# Altium PCB SVPX_FMC_6U_SOM.PcbDoc (part 5 of 9) (continued)
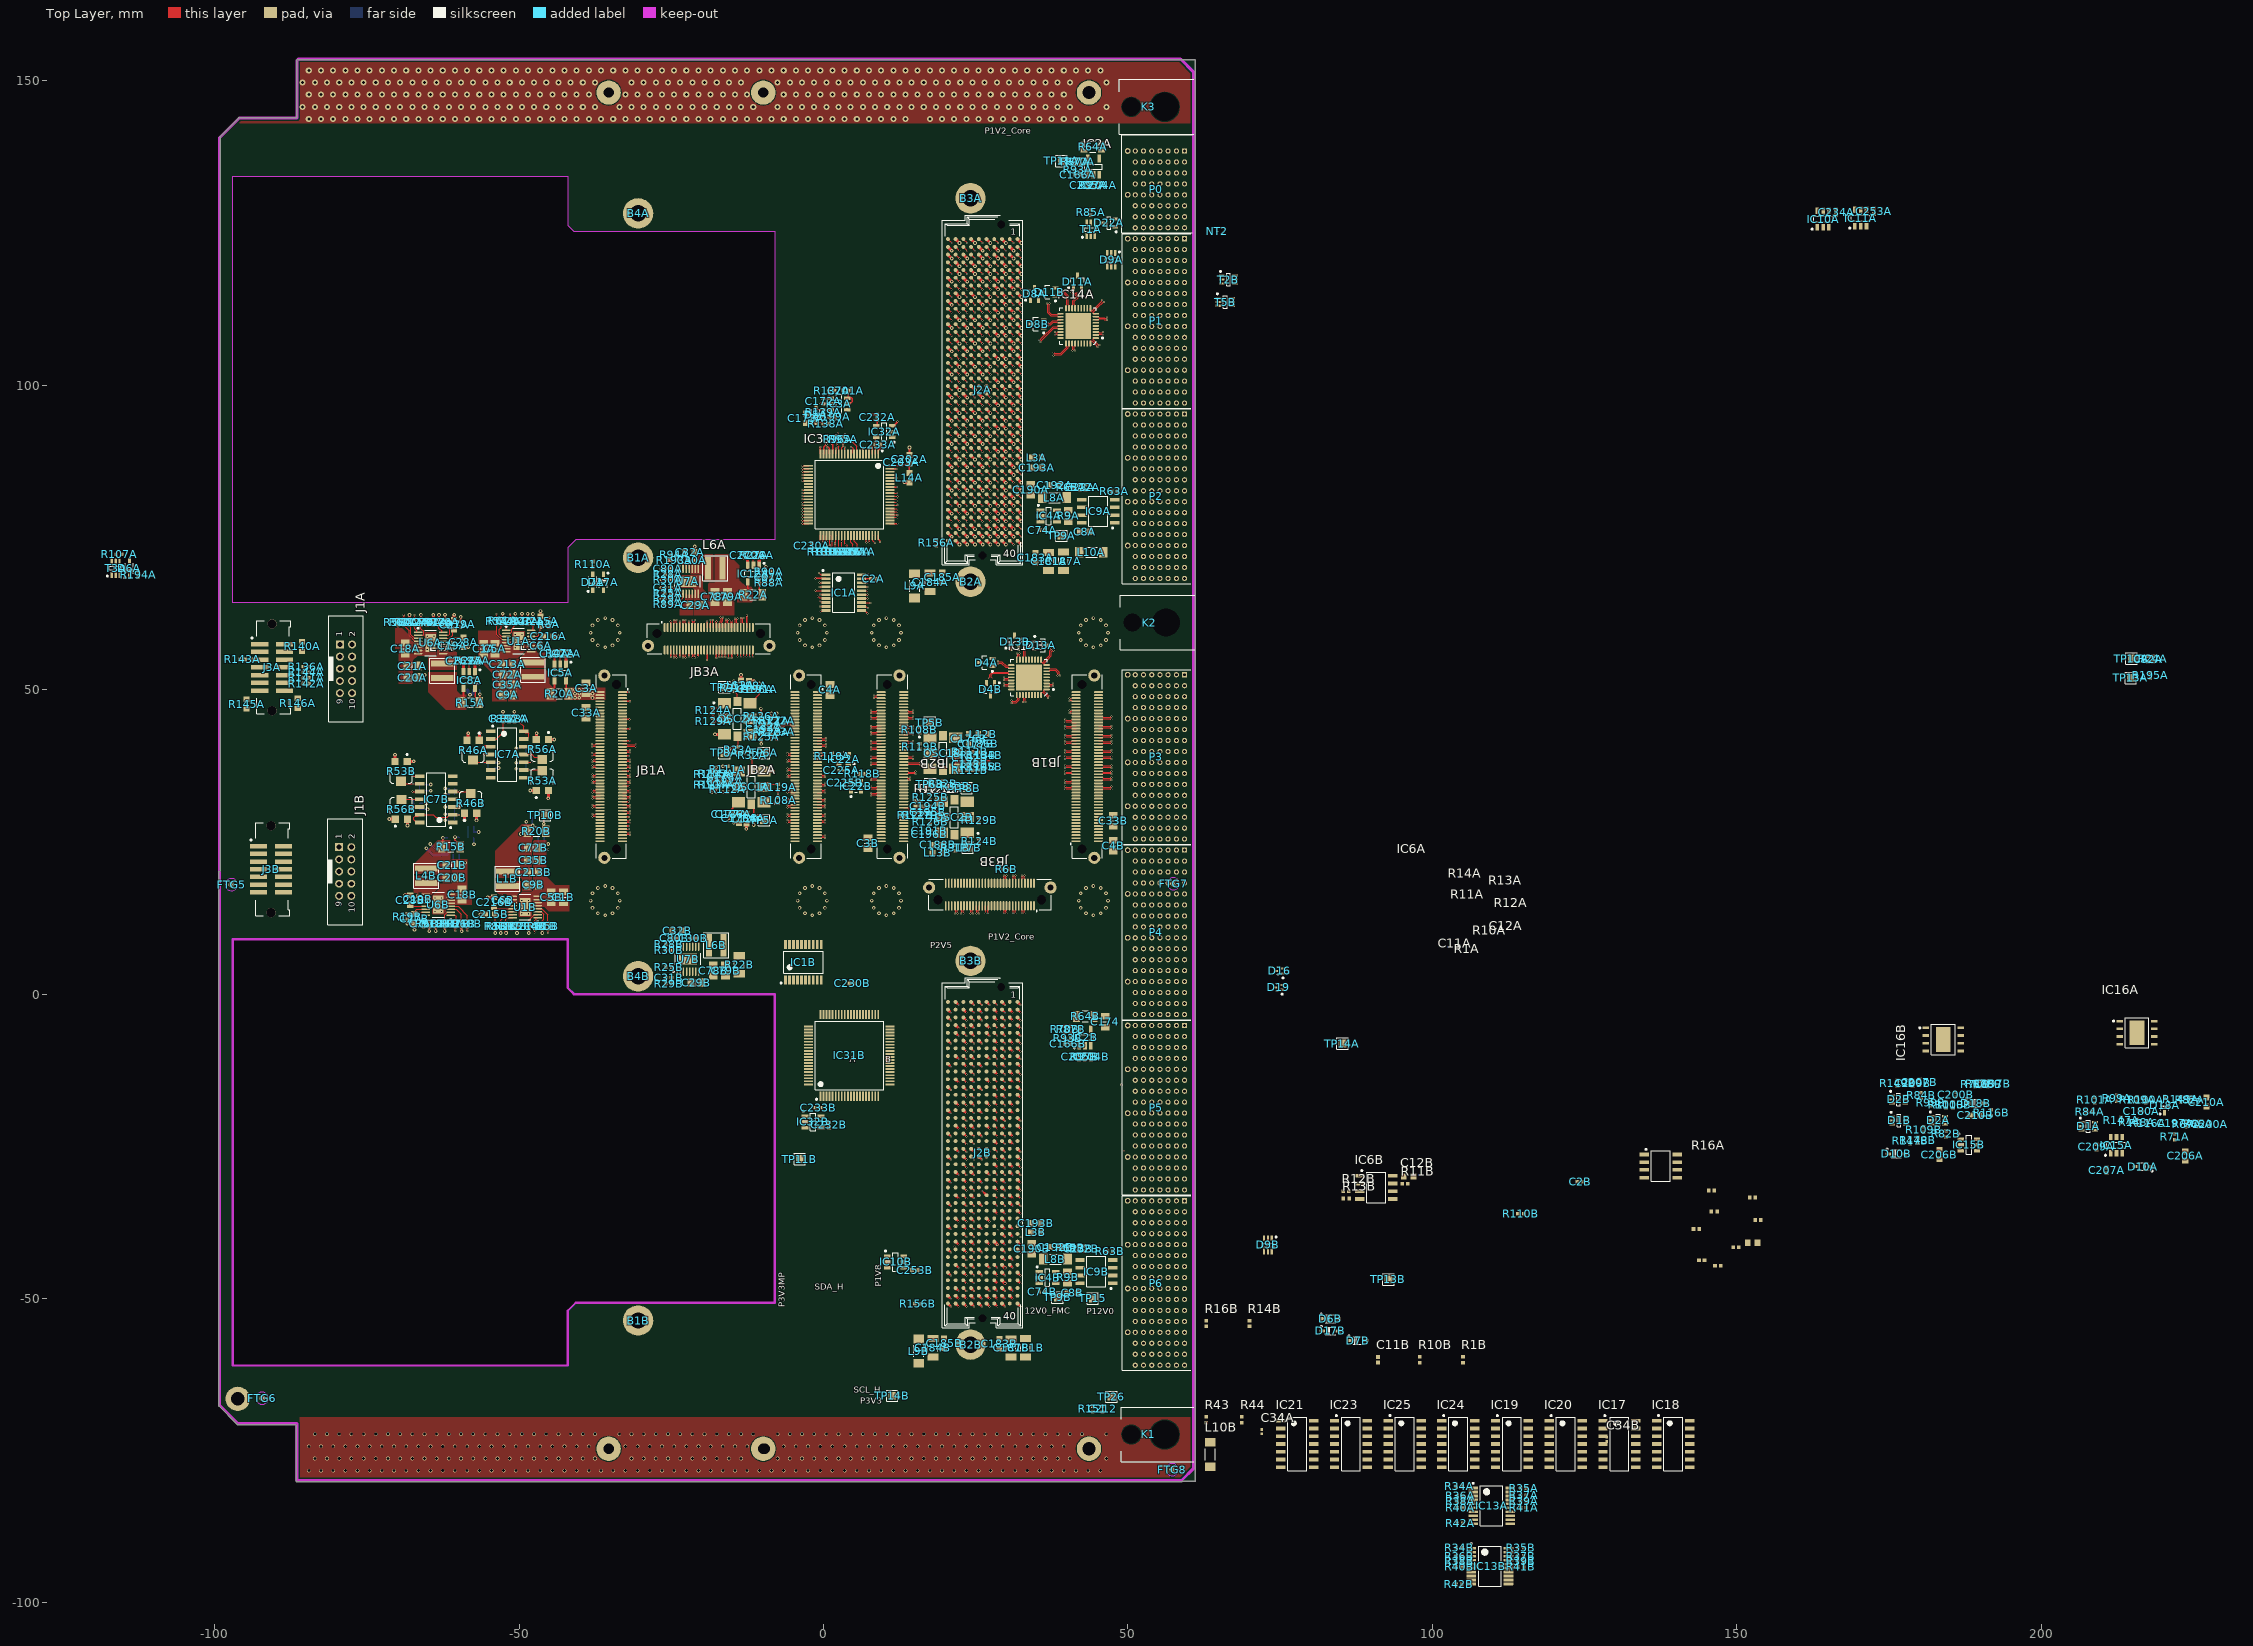
[diagram p0: Top Layer view]
## Nets (pads, with @x,y where several pads share a name; then routed paths per layer and width w, separated by ;. In a path a pad name is that pad's centre, name@x,y a point inside that pad or via, vN(x,y) a via of type N, cw(c..) or ccw(c..) an arc to the next point about the centre after c; other vN are vias at no path point) (continued)
  Top Layer w0.5: v2(-71.323,28.753) -71.309,28.739 -70.339,28.739 R56B.1@-70.325,28.725 ; v2(-68.758,16.256) -68.744,16.242 -67.882,16.242 C28B.1@-67.867,16.227 ; R53B.1@-68.375,38.2 -68.348,38.227 v2(-67.285,38.227) ; R21A.1@-68.025,61.545 -68.018,61.552 -68.018,62.27 v2(-68.005,62.283) ; v2(-67.97,30.734) -67.956,30.719 IC7B.12@-66.325,30.719 ; C27A.1@-60.681,61.481 -60.668,61.493 -60.668,62.293 v2(-60.655,62.306) ; v2(-59.766,55.245) -59.756,55.235 -59.109,55.235 C269A.1@-59.099,55.225 ; C28A.1@-59.15,56.975 -59.139,56.986 -58.355,56.986 v2(-58.344,56.998) ; v2(-58.953,28.55) -58.952,28.551 -58.952,29.673 R46B.1@-58.95,29.675 ; IC8A.1@-57.225,52.912 -57.225,54.3 C25A.1@-57.199,54.325 -57.189,54.315 -56.576,54.315 v2(-56.566,54.305) ; R46A.1@-56.55,41.7 -56.461,41.789 -56.461,42.801 -56.439,42.823 v2(-56.439,42.85) ; v2(-56.337,13.081) C215B.1@-55.537,13.081 ; v2(-55.169,15.875) -55.156,15.888 C216B.1@-54.102,15.888 ; IC7A.12@-49.225,40.62 -49.215,40.63 -47.965,40.63 v2(-47.955,40.64) ; v2@-48.158,33.426 R53A.1@-47.176,33.426 ; R56A.1@-45.175,41.8 -45.171,41.804 -44.226,41.804 v2(-44.221,41.808) ; IC5A.1@-42.281,54.157 -42.281,55.466 C22A.1@-42.266,55.481 -42.262,55.477 -41.558,55.477 v2(-41.554,55.474) ; v2(-26.651,64.878) -26.632,64.897 -26.098,64.897 R29A.1@-26.07,64.925 ; v2(-26.65,66.725) C31A.1@-26.025,66.725 ; v2(-26.65,68.05) R30A.1@-26.02,68.05 ; v2(-25.6,71.253) -25.598,71.252 -25.022,71.252 R193A.1@-25.02,71.25 ; C32A.1@-21.175,72.57 -21.157,72.588 -21.157,73.49 v2(-21.14,73.508) ; v2(-17.831,42.647) -16.259,42.647 OSC2A.3@-16.24,42.665 ; v2(-13.1,72.57) -13.09,72.56 -12.46,72.56 C270A.1@-12.45,72.55 ; C188A.1@-12.225,51.425 -12.203,51.403 -11.398,51.403 v2(-11.379,51.384) ; IC12A.1@-10.55,70.4 C26A.1@-10.55,71.65 -10.524,71.624 -9.9,71.624 v2(-9.881,71.605) ; OSC1A.3@-9.766,36.56 -9.725,36.601 v2(-8.255,36.601) ; J2A.k39@20.43,75.731 v2(21.065,75.096) ; J2A.k36@20.43,79.541 v2(21.065,78.906) ; J2A.k33@20.43,83.351 v2(21.065,82.716) ; J2A.k30@20.43,87.161 v2(21.065,86.526) ; J2A.k27@20.43,90.971 v2(21.065,90.336) ; J2A.k24@20.43,94.781 v2(21.065,94.146) ; J2A.k21@20.43,98.591 v2(21.065,97.956) ; J2A.k18@20.43,102.401 v2(21.065,101.766) ; J2A.k15@20.43,106.211 20.43,106.206 21.076,105.56 v2(21.076,105.555) ; J2A.k12@20.43,110.021 v2(21.065,109.386) ; J2A.k9@20.43,113.831 v2(21.065,113.196) ; J2A.k6@20.43,117.641 v2(21.065,117.006) ; J2A.k3@20.43,121.451 v2(21.065,120.816) ; J2A.k2@20.43,122.721 v2(21.065,122.086) ; J2A.j40@21.7,74.461 v2(22.335,73.826) ; J2A.j38@21.7,77.001 v2(22.335,76.366) ; J2A.j35@21.7,80.811 v2(22.335,80.176) ; J2A.j32@21.7,84.621 v2(22.335,83.986) ; J2A.j29@21.7,88.431 v2(22.335,87.796) ; J2A.j26@21.7,92.241 v2(22.335,91.606) ; J2A.j23@21.7,96.051 v2(22.335,95.416) ; J2A.j20@21.7,99.861 21.7,99.846 22.326,99.22 v2(22.326,99.205) ; J2A.j17@21.7,103.671 21.7,103.651 22.326,103.025 v2(22.326,103.005) ; J2A.j14@21.7,107.481 21.7,107.469 22.326,106.843 v2(22.326,106.83) ; J2A.j11@21.7,111.291 v2(22.335,110.656) ; J2A.j8@21.7,115.101 v2(22.335,114.466) ; J2A.j5@21.7,118.911 v2(22.335,118.276) ; J2A.j4@21.7,120.181 v2(22.335,119.546) ; J2A.j1@21.7,123.991 v2(22.335,123.356) ; J2A.h39@22.97,75.731 v2(23.605,75.096) ; J2A.h36@22.97,79.541 v2(23.605,78.906) ; J2A.h33@22.97,83.351 v2(23.605,82.716) ; J2A.h30@22.97,87.161 v2(23.605,86.526) ; J2A.h27@22.97,90.971 v2(23.605,90.336) ; J2A.h24@22.97,94.781 v2(23.605,94.146) ; J2A.h21@22.97,98.591 v2(23.605,97.956) ; J2A.h18@22.97,102.401 v2(23.605,101.766) ; J2A.h15@22.97,106.211 v2(23.605,105.576) ; J2A.h12@22.97,110.021 v2(23.605,109.386) ; J2A.h9@22.97,113.831 v2(23.605,113.196) ; J2A.h6@22.97,117.641 v2(23.605,117.006) ; J2A.h3@22.97,121.451 v2(23.605,120.816) ; J2A.g40@24.24,74.461 v2(24.875,73.826) ; J2A.g38@24.24,77.001 v2(24.875,76.366) ; J2A.g35@24.24,80.811 v2(24.875,80.176) ; J2A.g32@24.24,84.621 v2(24.875,83.986) ; J2A.g29@24.24,88.431 v2(24.875,87.796) ; J2A.g26@24.24,92.241 v2(24.875,91.606) ; J2A.g23@24.24,96.051 v2(24.875,95.416) ; J2A.g20@24.24,99.861 v2(24.875,99.226) ; J2A.g17@24.24,103.671 v2(24.875,103.036) ; J2A.g14@24.24,107.481 v2(24.875,106.846) ; J2A.g11@24.24,111.291 v2(24.875,110.656) ; J2A.g8@24.24,115.101 v2(24.875,114.466) ; J2A.g5@24.24,118.911 v2(24.875,118.276) ; J2A.g4@24.24,120.181 v2(24.875,119.546) ; J2A.g1@24.24,123.991 v2(24.875,123.356) ; J2A.f39@25.51,75.731 v2(26.145,75.096) ; J2A.f36@25.51,79.541 v2(26.145,78.906) ; J2A.f33@25.51,83.351 v2(26.145,82.716) ; J2A.f30@25.51,87.161 v2(26.145,86.526) ; J2A.f27@25.51,90.971 v2(26.145,90.336) ; J2A.f24@25.51,94.781 v2(26.145,94.146) ; J2A.f21@25.51,98.591 v2(26.145,97.956) ; J2A.f18@25.51,102.401 v2(26.145,101.766) ; J2A.f15@25.51,106.211 v2(26.145,105.576) ; J2A.f12@25.51,110.021 v2(26.145,109.386) ; J2A.f9@25.51,113.831 v2(26.145,113.196) ; J2A.f6@25.51,117.641 v2(26.145,117.006) ; J2A.f3@25.51,121.451 v2(26.145,120.816) ; J2A.f2@25.51,122.721 v2(26.145,122.086) ; J2A.e40@26.78,74.461 v2(27.415,73.826) ; J2A.e38@26.78,77.001 v2(27.415,76.366) ; J2A.e35@26.78,80.811 v2(27.415,80.176) ; J2A.e32@26.78,84.621 v2(27.415,83.986) ; J2A.e29@26.78,88.431 v2(27.415,87.796) ; J2A.e26@26.78,92.241 v2(27.415,91.606) ; J2A.e23@26.78,96.051 v2(27.415,95.416) ; J2A.e20@26.78,99.861 v2(27.415,99.226) ; J2A.e17@26.78,103.671 v2(27.415,103.036) ; J2A.e14@26.78,107.481 v2(27.415,106.846) ; J2A.e11@26.78,111.291 v2(27.415,110.656) ; J2A.e8@26.78,115.101 v2(27.415,114.466) ; J2A.e5@26.78,118.911 v2(27.415,118.276) ; J2A.e4@26.78,120.181 v2(27.415,119.546) ; J2A.e1@26.78,123.991 v2(27.415,123.356) ; J2A.d39@28.05,75.731 v2(28.685,75.096) ; J2A.d37@28.05,78.271 v2(28.685,77.636) ; J2A.d35@28.05,80.811 v2(28.685,80.176) ; J2A.d28@28.05,89.701 v2(28.685,89.066) ; J2A.d25@28.05,93.511 v2(28.685,92.876) ; J2A.d22@28.05,97.321 v2(28.685,96.686) ; J2A.d19@28.05,101.131 v2(28.685,100.496) ; J2A.d16@28.05,104.941 v2(28.685,104.306) ; J2A.d13@28.05,108.751 v2(28.685,108.116) ; J2A.d10@28.05,112.561 v2(28.685,111.926) ; J2A.d7@28.05,116.371 v2(28.685,115.736) ; J2A.d6@28.05,117.641 v2(28.685,117.006) ; J2A.d3@28.05,121.451 v2(28.685,120.816) ; J2A.d2@28.05,122.721 v2(28.685,122.086) ; J2A.c40@29.32,74.461 v2(29.955,73.826) ; J2A.c38@29.32,77.001 v2(29.955,76.366) ; J2A.c36@29.32,79.541 v2(29.955,78.906) ; J2A.c34@29.32,82.081 v2(29.955,81.446) ; J2A.c33@29.32,83.351 v2(29.955,82.716) ; J2A.c32@29.32,84.621 v2(29.955,83.986) ; J2A.c29@29.32,88.431 v2(29.955,87.796) ; J2A.c28@29.32,89.701 v2(29.955,89.066) ; J2A.c25@29.32,93.511 v2(29.955,92.876) ; J2A.c24@29.32,94.781 v2(29.955,94.146) ; J2A.c21@29.32,98.591 v2(29.955,97.956) ; J2A.c20@29.32,99.861 v2(29.955,99.226) ; J2A.c17@29.32,103.671 v2(29.955,103.036) ; J2A.c16@29.32,104.941 v2(29.955,104.306) ; J2A.c13@29.32,108.751 v2(29.955,108.116) ; J2A.c12@29.32,110.021 v2(29.955,109.386) ; J2A.c9@29.32,113.831 v2(29.955,113.196) ; J2A.c8@29.32,115.101 v2(29.955,114.466) ; J2A.c5@29.32,118.911 v2(29.955,118.276) ; J2A.c4@29.32,120.181 v2(29.955,119.546) ; J2A.c1@29.32,123.991 v2(29.955,123.356) ; J2A.b39@30.59,75.731 v2(31.225,75.096) ; J2A.b38@30.59,77.001 v2(31.225,76.366) ; J2A.b35@30.59,80.811 v2(31.225,80.176) ; J2A.b34@30.59,82.081 v2(31.225,81.446) ; J2A.b31@30.59,85.891 v2(31.225,85.256) ; J2A.b30@30.59,87.161 v2(31.225,86.526) ; J2A.b27@30.59,90.971 v2(31.225,90.336) ; J2A.b26@30.59,92.241 v2(31.225,91.606) ; J2A.b23@30.59,96.051 v2(31.225,95.416) ; J2A.b22@30.59,97.321 v2(31.225,96.686) ; J2A.b19@30.59,101.131 v2(31.225,100.496) ; J2A.b18@30.59,102.401 v2(31.225,101.766) ; J2A.b15@30.59,106.211 v2(31.225,105.576) ; J2A.b14@30.59,107.481 v2(31.225,106.846) ; J2A.b11@30.59,111.291 v2(31.225,110.656) ; J2A.b10@30.59,112.561 v2(31.225,111.926) ; J2A.b7@30.59,116.371 v2(31.225,115.736) ; J2A.b6@30.59,117.641 v2(31.225,117.006) ; J2A.b3@30.59,121.451 v2(31.225,120.816) ; J2A.b2@30.59,122.721 v2(31.225,122.086) ; J2A.a40@31.86,74.461 v2(32.495,73.826) ; J2A.a37@31.86,78.271 v2(32.495,77.636) ; J2A.a36@31.86,79.541 v2(32.495,78.906) ; J2A.a33@31.86,83.351 v2(32.495,82.716) ; J2A.a32@31.86,84.621 v2(32.495,83.986) ; J2A.a29@31.86,88.431 v2(32.495,87.796) ; J2A.a28@31.86,89.701 v2(32.495,89.066) ; J2A.a25@31.86,93.511 v2(32.495,92.876) ; J2A.a24@31.86,94.781 v2(32.495,94.146) ; J2A.a21@31.86,98.591 v2(32.495,97.956) ; J2A.a20@31.86,99.861 v2(32.495,99.226) ; J2A.a17@31.86,103.671 v2(32.495,103.036) ; J2A.a16@31.86,104.941 v2(32.495,104.306) ; J2A.a13@31.86,108.751 v2(32.495,108.116) ; J2A.a12@31.86,110.021 v2(32.495,109.386) ; J2A.a9@31.86,113.831 v2(32.495,113.196) ; J2A.a8@31.86,115.101 v2(32.495,114.466) ; J2A.a5@31.86,118.911 v2(32.495,118.276) ; J2A.a4@31.86,120.181 v2(32.495,119.546) ; J2A.a1@31.86,123.991 v2(32.495,123.356)
  Bottom Layer w0.254: R57B.1@-66.307,31.318 -65.253,31.318 v2(-65.227,31.293) ; R54B.1@-65.337,33.407 -64.68,33.407 -64.584,33.503 -64.491,33.409 v2(-64.491,33.401) ; v2(-64.592,24.638) -64.592,24.613 -63.798,23.818 C269B.1@-62.738,23.818 ; v2(-62.128,28.55) R192B.1@-61.481,28.55 ; v2(-62.128,29.56) -62.113,29.576 -61.476,29.576 C83B.1@-61.461,29.591 ; v2(-62.128,32.791) -62.121,32.784 -61.501,32.784 R48B.1@-61.493,32.777 ; IC8B.1@-59.832,22.983 -59.832,21.624 C25B.1@-59.867,21.59 v2(-58.826,21.59) ; C86B.1@-57.454,27.524 -57.434,27.503 -57.434,26.648 R80B.1@-57.409,26.624 -57.407,26.622 -56.644,26.622 v2(-56.642,26.619) ; R48A.1@-54.08,37.05 -54.035,37.095 -53.385,37.095 v2(-53.34,37.14) ; v2(-50.444,37.998) -50.39,37.944 -49.775,37.944 R54A.1@-49.72,37.889 ; v2(-50.444,39.319) -50.414,39.35 -49.749,39.35 R57A.1@-49.718,39.381 ; C10B.1@-48.793,27.196 v2(-48.793,28.296) ; IC5B.1@-45.917,26.224 -45.892,26.199 C22B.1@-45.892,24.644 -45.889,24.641 -45.215,24.641 v2(-45.212,24.638)
  Bottom Layer w0.5: R80A.1@-58.43,49.905 -58.41,49.905 -58.37,49.865 -58.37,49.481 -58.056,49.168 -58.018,49.168 -57.961,49.225 -57.757,49.225 -57.465,49.518 -57.465,49.89 C86A.1@-57.405,49.95
  other v1: -19.101,54.864 -22.098,55.448 -19.101,61.189 8.661,67.716 -3.48,77.775
  other v2: -48.158,33.426 -58.064,49.149
  other v6: -65.076,56.577 -63.976,56.577 -50.609,56.878 -49.509,56.878 -65.076,57.677 -63.976,57.677 -50.609,57.978 -49.509,57.978 -65.076,58.777 -63.976,58.777 -50.609,59.078 -49.509,59.078 -23.425,67.225 -22.325,67.225 -21.225,67.225 -23.425,68.325 -22.325,68.325 -21.225,68.325
  other v7: -23.345,5.2 -22.245,5.2 -21.145,5.2 -23.345,6.3 -22.245,6.3 -21.145,6.3 -49.55,13.18 -48.45,13.18 -63.817,13.577 -62.717,13.577 -49.55,14.28 -48.45,14.28 -63.817,14.677 -62.717,14.677 -49.55,15.38 -48.45,15.38 -63.817,15.777 -62.717,15.777
  other v8: 48.937,-14.909
GPIO_A1A: IC1A.6 IC31A.41 | length 10.9
  Top Layer w0.127: v1(-0.584,65.634) 0.383,65.634 IC1A.6@0.412,65.605 ; v1(-0.508,73.889) -0.504,73.893 -0.504,75.321 IC31A.41@-0.5,75.325
  L2 w0.127: v1(-0.584,65.634) -0.584,66.472 -0.305,66.751 -0.305,69.698 -0.508,69.901 v1(-0.508,73.889)
GPIO_A1B: IC1B.6 IC31B.41
GPIO_A2A: IC1A.7 IC31A.42 | length 12.4
  Top Layer w0.127: v1(-0.94,65.329) -0.888,65.329 -0.675,65.116 0.25,65.116 IC1A.7@0.412,64.955 ; v1(-0.025,74.27) -0.013,74.282 -0.013,75.312 IC31A.42@0,75.325
  L2 w0.127: v1(-0.94,65.329) -0.903,65.292 -0.597,65.292 -0.557,65.253 -0.33,65.253 -0.025,65.557 v1(-0.025,74.27)
GPIO_A2B: IC1B.7 IC31B.42
GPIO_A3A: IC1A.8 IC31A.43 | length 12.3
  Top Layer w0.127: v1(-0.559,64.516) -0.507,64.516 -0.457,64.466 0.25,64.466 IC1A.8@0.412,64.305 ; v1(0.457,74.346) 0.479,74.367 0.479,75.304 IC31A.43@0.5,75.325
  L2 w0.127: v1(-0.559,64.516) 0.457,65.532 v1(0.457,74.346)
GPIO_A3B: IC1B.8 IC31B.43
GPIO_A4A: IC1A.9 IC31A.35 | length 2
  Top Layer w0.127: v1(-3.48,79.781) -3.477,79.778 -2.453,79.778 IC31A.35@-2.45,79.775 ; v1(-0.559,63.678) 0.389,63.678 IC1A.9@0.412,63.655
GPIO_A4B: IC1B.9 IC31B.35
GPIO_S1A: IC1A.15 JB3A.38 | length 30.8
  Top Layer w0.127: JB3A.38@-17.1,56.5 -17.094,56.495 v1(-17.094,55.347) ; IC1A.15@6.212,65.605 6.215,65.608 v1(7.239,65.608)
  L4 w0.127: v1(-17.094,55.347) -8.941,63.5 -2.032,63.5 0.076,65.608 v1(7.239,65.608)
GPIO_S1B: IC1B.15 JB3B.38
GPIO_S2A: IC1A.14 JB3A.40 | length 30
  Top Layer w0.127: JB3A.40@-16.6,56.5 -16.593,56.493 -16.593,55.353 v1(-16.586,55.347) ; IC1A.14@6.212,64.955 6.23,64.973 v1(7.239,64.973)
  L4 w0.127: v1(-16.586,55.347) -8.77,63.163 5.429,63.163 v1(7.239,64.973)
GPIO_S2B: IC1B.14 JB3B.40
GPIO_S3A: IC1A.13 JB3A.42 | length 30.1
  Top Layer w0.127: v1(-16.104,55.347) -16.102,55.349 -16.102,56.498 JB3A.42@-16.1,56.5 ; IC1A.13@6.212,64.305 6.28,64.237 v1(7.696,64.237)
  L4 w0.127: v1(-16.104,55.347) -9.01,62.44 5.9,62.44 v1(7.696,64.237)
GPIO_S3B: IC1B.13 JB3B.42
GPIO_S4A: IC1A.12 JB3A.44 | length 28.9
  Top Layer w0.127: JB3A.44@-15.6,56.5 -15.598,56.498 -15.598,55.171 v1(-15.596,55.169) ; IC1A.12@6.212,63.655 6.246,63.621 7.042,63.621 v1(7.29,63.373)
  L4 w0.127: v1(-15.596,55.169) -12.606,58.158 -12.606,58.235 -8.628,62.213 6.13,62.213 v1(7.29,63.373)
GPIO_S4B: IC1B.12 JB3B.44
H_DCXOA_N: C195A.1 OSC2A.5 R126A.2 | length 3.4
  Top Layer w0.118: OSC2A.5@-12.04,45.205 -11.427,44.592 -11.427,44.248 -11.227,44.047 -10.736,44.047 -10.57,44.047 -10.501,44.116 -10.501,44.124 C195A.1@-10.25,44.375 R126A.2@-10.25,45.13
H_DCXOA_P: C194A.1 OSC2A.4 R125A.2 | length 3.3
  Top Layer w0.118: OSC2A.4@-12.04,42.665 -11.407,43.299 -11.407,43.623 -11.227,43.803 -10.838,43.803 -10.57,43.803 -10.501,43.734 -10.501,43.726 C194A.1@-10.25,43.475 R125A.2@-10.25,42.72
H_DCXOB_N: C195B.1 OSC2B.5 R126B.2 | length 2.7
  Top Layer w0.118: C195B.1@17.6,29.83 17.851,30.081 17.851,30.139 17.92,30.208 18.517,30.208 18.734,29.99 18.734,29.703 OSC2B.5@19.406,29.032
H_DCXOB_P: C194B.1 OSC2B.4 R125B.2 | length 2.6
  Top Layer w0.118: C194B.1@17.6,30.83 17.851,30.579 17.851,30.522 17.92,30.453 18.517,30.453 18.679,30.615 18.679,30.845 OSC2B.4@19.406,31.572
HA00_CCA_N: J2A.f5 | length 0.9
  Top Layer w0.118: J2A.f5@25.51,118.911 v1(26.145,118.276)
HA00_CCA_P: J2A.f4 | length 0.9
  Top Layer w0.118: J2A.f4@25.51,120.181 v1(26.145,119.546)
HA00_CCB_N: J2B.f5
HA00_CCB_P: J2B.f4
HA01_CCA_N: J2A.e3 | length 0.9
  Top Layer w0.118: J2A.e3@26.78,121.451 v1(27.415,120.816)
HA01_CCA_P: J2A.e2 | length 0.9
  Top Layer w0.118: J2A.e2@26.78,122.721 v1(27.415,122.086)
HA01_CCB_N: J2B.e3
HA01_CCB_P: J2B.e2
HA02A_N: J2A.k8 | length 0.9
  Top Layer w0.118: J2A.k8@20.43,115.101 v1(21.065,114.466)
HA02A_P: J2A.k7 | length 0.9
  Top Layer w0.118: J2A.k7@20.43,116.371 v1(21.065,115.736)
HA02B_N: J2B.k8
HA02B_P: J2B.k7
HA03A_N: J2A.j7 | length 0.9
  Top Layer w0.118: J2A.j7@21.7,116.371 v1(22.335,115.736)
HA03A_P: J2A.j6 | length 0.9
  Top Layer w0.118: J2A.j6@21.7,117.641 v1(22.335,117.006)
HA03B_N: J2B.j7
HA03B_P: J2B.j6
HA04A_N: J2A.f8 | length 0.9
  Top Layer w0.118: J2A.f8@25.51,115.101 v1(26.145,114.466)
HA04A_P: J2A.f7 | length 0.9
  Top Layer w0.118: J2A.f7@25.51,116.371 v1(26.145,115.736)
HA04B_N: J2B.f8
HA04B_P: J2B.f7
HA05A_N: J2A.e7 | length 0.9
  Top Layer w0.118: J2A.e7@26.78,116.371 v1(27.415,115.736)
HA05A_P: J2A.e6 | length 0.9
  Top Layer w0.118: J2A.e6@26.78,117.641 v1(27.415,117.006)
HA05B_N: J2B.e7
HA05B_P: J2B.e6
HA06A_N: J2A.k11 | length 0.9
  Top Layer w0.118: J2A.k11@20.43,111.291 v1(21.065,110.656)
HA06A_P: J2A.k10 | length 0.9
  Top Layer w0.118: J2A.k10@20.43,112.561 v1(21.065,111.926)
HA06B_N: J2B.k11
HA06B_P: J2B.k10
HA07A_N: J2A.j10 | length 0.9
  Top Layer w0.118: J2A.j10@21.7,112.561 v1(22.335,111.926)
HA07A_P: J2A.j9 | length 0.9
  Top Layer w0.118: J2A.j9@21.7,113.831 v1(22.335,113.196)
HA07B_N: J2B.j10
HA07B_P: J2B.j9
HA08A_N: J2A.f11 | length 0.9
  Top Layer w0.118: J2A.f11@25.51,111.291 v1(26.145,110.656)
HA08A_P: J2A.f10 | length 0.9
  Top Layer w0.118: J2A.f10@25.51,112.561 v1(26.145,111.926)
HA08B_N: J2B.f11
HA08B_P: J2B.f10
HA09A_N: J2A.e10 | length 0.9
  Top Layer w0.118: J2A.e10@26.78,112.561 v1(27.415,111.926)
HA09A_P: J2A.e9 | length 0.9
  Top Layer w0.118: J2A.e9@26.78,113.831 v1(27.415,113.196)
HA09B_N: J2B.e10
HA09B_P: J2B.e9
HA10A_N: J2A.k14 | length 0.9
  Top Layer w0.118: J2A.k14@20.43,107.481 20.43,107.466 21.076,106.82 v1(21.076,106.805)
HA10A_P: J2A.k13 | length 0.9
  Top Layer w0.118: J2A.k13@20.43,108.751 v1(21.065,108.116)
HA10B_N: J2B.k14
HA10B_P: J2B.k13
HA11A_N: J2A.j13 | length 0.9
  Top Layer w0.118: J2A.j13@21.7,108.751 21.7,108.729 22.326,108.103 v1(22.326,108.08)
HA11A_P: J2A.j12 | length 0.9
  Top Layer w0.118: J2A.j12@21.7,110.021 v1(22.335,109.386)
HA11B_N: J2B.j13
HA11B_P: J2B.j12
HA12A_N: J2A.f14 | length 0.9
  Top Layer w0.118: J2A.f14@25.51,107.481 v1(26.145,106.846)
HA12A_P: J2A.f13 | length 0.9
  Top Layer w0.118: J2A.f13@25.51,108.751 v1(26.145,108.116)
HA12B_N: J2B.f14
HA12B_P: J2B.f13
HA13A_N: J2A.e13 | length 0.9
  Top Layer w0.118: J2A.e13@26.78,108.751 v1(27.415,108.116)
HA13A_P: J2A.e12 | length 0.9
  Top Layer w0.118: J2A.e12@26.78,110.021 v1(27.415,109.386)
HA13B_N: J2B.e13
HA13B_P: J2B.e12
HA14A_N: J2A.j16 | length 0.9
  Top Layer w0.118: J2A.j16@21.7,104.941 21.7,104.911 22.326,104.285 v1(22.326,104.255)
HA14A_P: J2A.j15 | length 0.9
  Top Layer w0.118: J2A.j15@21.7,106.211 v1(22.335,105.576)
HA14B_N: J2B.j16
HA14B_P: J2B.j15
HA15A_N: J2A.f17 | length 0.9
  Top Layer w0.118: J2A.f17@25.51,103.671 v1(26.145,103.036)
HA15A_P: J2A.f16 | length 0.9
  Top Layer w0.118: J2A.f16@25.51,104.941 v1(26.145,104.306)
HA15B_N: J2B.f17
HA15B_P: J2B.f16
HA16A_N: J2A.e16 | length 0.9
  Top Layer w0.118: J2A.e16@26.78,104.941 v1(27.415,104.306)
HA16A_P: J2A.e15 | length 0.9
  Top Layer w0.118: J2A.e15@26.78,106.211 v1(27.415,105.576)
HA16B_N: J2B.e16
HA16B_P: J2B.e15
HA17_CCA_N: J2A.k17 | length 1
  Top Layer w0.118: J2A.k17@20.43,103.671 20.43,103.648 21.076,103.003 v1(21.076,102.98)
HA17_CCA_P: J2A.k16 | length 0.9
  Top Layer w0.118: J2A.k16@20.43,104.941 v1(21.065,104.306)
HA17_CCB_N: J2B.k17
HA17_CCB_P: J2B.k16
HA18A_N: J2A.j19 | length 0.9
  Top Layer w0.118: J2A.j19@21.7,101.131 21.7,101.106 22.326,100.48 v1(22.326,100.455)
HA18A_P: J2A.j18 | length 0.9
  Top Layer w0.118: J2A.j18@21.7,102.401 v1(22.335,101.766)
HA18B_N: J2B.j19
HA18B_P: J2B.j18
HA19A_N: J2A.f20 | length 0.9
  Top Layer w0.118: J2A.f20@25.51,99.861 v1(26.145,99.226)
HA19A_P: J2A.f19 | length 0.9
  Top Layer w0.118: J2A.f19@25.51,101.131 v1(26.145,100.496)
HA19B_N: J2B.f20
HA19B_P: J2B.f19
HA20A_N: J2A.e19 | length 0.9
  Top Layer w0.118: J2A.e19@26.78,101.131 v1(27.415,100.496)
HA20A_P: J2A.e18 | length 0.9
  Top Layer w0.118: J2A.e18@26.78,102.401 v1(27.415,101.766)
HA20B_N: J2B.e19
HA20B_P: J2B.e18
HA21A_N: J2A.k20 | length 0.9
  Top Layer w0.118: J2A.k20@20.43,99.861 20.43,99.843 21.076,99.198 v1(21.076,99.18)
HA21A_P: J2A.k19 | length 0.9
  Top Layer w0.118: J2A.k19@20.43,101.131 v1(21.065,100.496)
HA21B_N: J2B.k20
HA21B_P: J2B.k19
HA22A_N: J2A.j22 | length 1
  Top Layer w0.118: J2A.j22@21.7,97.321 21.7,97.288 22.326,96.663 v1(22.326,96.63)
HA22A_P: J2A.j21 | length 0.9
  Top Layer w0.118: J2A.j21@21.7,98.591 v1(22.335,97.956)
HA22B_N: J2B.j22
HA22B_P: J2B.j21
HA23A_N: J2A.k23 | length 0.9
  Top Layer w0.118: J2A.k23@20.43,96.051 v1(21.065,95.416)
HA23A_P: J2A.k22 | length 0.9
  Top Layer w0.118: J2A.k22@20.43,97.321 v1(21.065,96.686)
HA23B_N: J2B.k23
HA23B_P: J2B.k22
HB00_CCA_N: J2A.k26 | length 0.9
  Top Layer w0.118: J2A.k26@20.43,92.241 v1(21.065,91.606)
HB00_CCA_P: J2A.k25 | length 0.9
  Top Layer w0.118: J2A.k25@20.43,93.511 v1(21.065,92.876)
HB00_CCB_N: J2B.k26
HB00_CCB_P: J2B.k25
HB01A_N: J2A.j25 | length 0.9
  Top Layer w0.118: J2A.j25@21.7,93.511 v1(22.335,92.876)
HB01A_P: J2A.j24 | length 0.9
  Top Layer w0.118: J2A.j24@21.7,94.781 v1(22.335,94.146)
HB01B_N: J2B.j25
HB01B_P: J2B.j24
HB02A_N: J2A.f23 | length 0.9
  Top Layer w0.118: J2A.f23@25.51,96.051 v1(26.145,95.416)
HB02A_P: J2A.f22 | length 0.9
  Top Layer w0.118: J2A.f22@25.51,97.321 v1(26.145,96.686)
HB02B_N: J2B.f23
HB02B_P: J2B.f22
HB03A_N: J2A.e22 | length 0.9
  Top Layer w0.118: J2A.e22@26.78,97.321 v1(27.415,96.686)
HB03A_P: J2A.e21 | length 0.9
  Top Layer w0.118: J2A.e21@26.78,98.591 v1(27.415,97.956)
HB03B_N: J2B.e22
HB03B_P: J2B.e21
HB04A_N: J2A.f26 | length 0.9
  Top Layer w0.118: J2A.f26@25.51,92.241 v1(26.145,91.606)
HB04A_P: J2A.f25 | length 0.9
  Top Layer w0.118: J2A.f25@25.51,93.511 v1(26.145,92.876)
HB04B_N: J2B.f26
HB04B_P: J2B.f25
HB05A_N: J2A.e25 | length 0.9
  Top Layer w0.118: J2A.e25@26.78,93.511 v1(27.415,92.876)
HB05A_P: J2A.e24 | length 0.9
  Top Layer w0.118: J2A.e24@26.78,94.781 v1(27.415,94.146)
HB05B_N: J2B.e25
HB05B_P: J2B.e24
HB06_CCA_N: J2A.k29 | length 0.9
  Top Layer w0.118: J2A.k29@20.43,88.431 v1(21.065,87.796)
HB06_CCA_P: J2A.k28 | length 0.9
  Top Layer w0.118: J2A.k28@20.43,89.701 v1(21.065,89.066)
HB06_CCB_N: J2B.k29
HB06_CCB_P: J2B.k28
HB07A_N: J2A.j28 | length 0.9
  Top Layer w0.118: J2A.j28@21.7,89.701 v1(22.335,89.066)
HB07A_P: J2A.j27 | length 0.9
  Top Layer w0.118: J2A.j27@21.7,90.971 v1(22.335,90.336)
HB07B_N: J2B.j28
HB07B_P: J2B.j27
HB08A_N: J2A.f29 | length 0.9
  Top Layer w0.118: J2A.f29@25.51,88.431 v1(26.145,87.796)
HB08A_P: J2A.f28 | length 0.9
  Top Layer w0.118: J2A.f28@25.51,89.701 v1(26.145,89.066)
HB08B_N: J2B.f29
HB08B_P: J2B.f28
HB09A_N: J2A.e28 | length 0.9
  Top Layer w0.118: J2A.e28@26.78,89.701 v1(27.415,89.066)
HB09A_P: J2A.e27 | length 0.9
  Top Layer w0.118: J2A.e27@26.78,90.971 v1(27.415,90.336)
HB09B_N: J2B.e28
HB09B_P: J2B.e27
HB10A_N: J2A.k32 | length 0.9
  Top Layer w0.118: J2A.k32@20.43,84.621 v1(21.065,83.986)
HB10A_P: J2A.k31 | length 0.9
  Top Layer w0.118: J2A.k31@20.43,85.891 v1(21.065,85.256)
HB10B_N: J2B.k32
HB10B_P: J2B.k31
HB11A_N: J2A.j31 | length 0.9
  Top Layer w0.118: J2A.j31@21.7,85.891 v1(22.335,85.256)
HB11A_P: J2A.j30 | length 0.9
  Top Layer w0.118: J2A.j30@21.7,87.161 v1(22.335,86.526)
HB11B_N: J2B.j31
HB11B_P: J2B.j30
HB12A_N: J2A.f32 | length 0.9
  Top Layer w0.118: J2A.f32@25.51,84.621 v1(26.145,83.986)
HB12A_P: J2A.f31 | length 0.9
  Top Layer w0.118: J2A.f31@25.51,85.891 v1(26.145,85.256)
HB12B_N: J2B.f32
HB12B_P: J2B.f31
HB13A_N: J2A.e31 | length 0.9
  Top Layer w0.118: J2A.e31@26.78,85.891 v1(27.415,85.256)
HB13A_P: J2A.e30 | length 0.9
  Top Layer w0.118: J2A.e30@26.78,87.161 v1(27.415,86.526)
HB13B_N: J2B.e31
HB13B_P: J2B.e30
HB14A_N: J2A.k35 | length 0.9
  Top Layer w0.118: J2A.k35@20.43,80.811 v1(21.065,80.176)
HB14A_P: J2A.k34 | length 0.9
  Top Layer w0.118: J2A.k34@20.43,82.081 v1(21.065,81.446)
HB14B_N: J2B.k35
HB14B_P: J2B.k34
HB15A_N: J2A.j34 | length 0.9
  Top Layer w0.118: J2A.j34@21.7,82.081 v1(22.335,81.446)
HB15A_P: J2A.j33 | length 0.9
  Top Layer w0.118: J2A.j33@21.7,83.351 v1(22.335,82.716)
HB15B_N: J2B.j34
HB15B_P: J2B.j33
HB16A_N: J2A.f35 | length 0.9
  Top Layer w0.118: J2A.f35@25.51,80.811 v1(26.145,80.176)
HB16A_P: J2A.f34 | length 0.9
  Top Layer w0.118: J2A.f34@25.51,82.081 v1(26.145,81.446)
HB16B_N: J2B.f35
HB16B_P: J2B.f34
HB17_CCA_N: J2A.k38 | length 0.9
  Top Layer w0.118: J2A.k38@20.43,77.001 v1(21.065,76.366)
HB17_CCA_P: J2A.k37 | length 0.9
  Top Layer w0.118: J2A.k37@20.43,78.271 v1(21.065,77.636)
HB17_CCB_N: J2B.k38
HB17_CCB_P: J2B.k37
HB18A_N: J2A.j37 | length 0.9
  Top Layer w0.118: J2A.j37@21.7,78.271 v1(22.335,77.636)
HB18A_P: J2A.j36 | length 0.9
  Top Layer w0.118: J2A.j36@21.7,79.541 v1(22.335,78.906)
HB18B_N: J2B.j37
HB18B_P: J2B.j36
HB19A_N: J2A.e34 | length 0.9
  Top Layer w0.118: J2A.e34@26.78,82.081 v1(27.415,81.446)
HB19A_P: J2A.e33 | length 0.9
  Top Layer w0.118: J2A.e33@26.78,83.351 v1(27.415,82.716)
HB19B_N: J2B.e34
HB19B_P: J2B.e33
HB20A_N: J2A.f38 | length 0.9
  Top Layer w0.118: J2A.f38@25.51,77.001 v1(26.145,76.366)
HB20A_P: J2A.f37 | length 0.9
  Top Layer w0.118: J2A.f37@25.51,78.271 v1(26.145,77.636)
HB20B_N: J2B.f38
HB20B_P: J2B.f37
HB21A_N: J2A.e37 | length 0.9
  Top Layer w0.118: J2A.e37@26.78,78.271 v1(27.415,77.636)
HB21A_P: J2A.e36 | length 0.9
  Top Layer w0.118: J2A.e36@26.78,79.541 v1(27.415,78.906)
HB21B_N: J2B.e37
HB21B_P: J2B.e36
Helper_DCXO_OEA: JB3A.60 R124A.1 R129A.1 | length 2.5
  Top Layer w0.127: v1(-18.72,46.101) -18.707,46.114 R124A.1@-18.14,46.114 R129A.1@-18.14,45.301 ; JB3A.60@-11.6,56.5 -11.591,56.491 -11.591,55.406 v1(-11.582,55.397)
Helper_DCXO_OEB: JB3B.60 R124B.1 R129B.1
Helper_DCXO_SCLA: JB3A.58 OSC2A.8 R33A.1 R121A.1 TP8A.1 | length 5.5
  Top Layer w0.127: TP8A.1@-16.24,39.6 -15.932,39.908 -15.489,39.908 -14.757,40.64 -14.033,40.64 R33A.1@-14.021,40.627 -14.021,42.233 OSC2A.8@-14.14,42.353 ; JB3A.58@-12.1,56.5 -12.095,56.495 -12.095,55.402 v1(-12.09,55.397)
Helper_DCXO_SCLB: JB3B.58 OSC2B.8 R33B.1 R121B.1 TP8B.1
Helper_DCXO_SDAA: JB3A.56 OSC2A.7 R31A.1 R120A.1 TP7A.1 | length 4.9
  Top Layer w0.127: TP7A.1@-16.24,50.425 -15.545,49.73 R31A.1@-14.65,49.73 -14.63,49.73 -14.404,49.504 -14.404,49.484 -14.14,49.22 OSC2A.7@-14.14,48.058 ; v1(-12.624,55.397) -12.612,55.41 -12.612,56.488 JB3A.56@-12.6,56.5
Helper_DCXO_SDAB: JB3B.56 OSC2B.7 R31B.1 R120B.1 TP7B.1
Helper_DCXOA_N: C195A.2 JB2A.22 R122A.1 R127A.2 | length 5.6
  Top Layer w0.118: C195A.2@-9.35,44.375 -9.044,44.07 -8.863,44.07 -8.801,44.132 -8.801,44.169 -8.57,44.4 R127A.2@-8.55,44.4 -8.53,44.4 -8.298,44.169 -8.298,44.154 -8.229,44.085 -8.02,44.085 -7.951,44.154 -7.951,44.174 -7.72,44.405 R122A.1@-7.7,44.405 -7.68,44.405 -7.448,44.174 -7.448,44.154 -7.379,44.085 -6.712,44.085 -6.324,44.472 -5.46,44.472 -5.333,44.6 JB2A.22@-4.7,44.6
Helper_DCXOA_P: C194A.2 JB2A.24 R123A.1 R128A.2 | length 5.6
  Top Layer w0.118: C194A.2@-9.35,43.475 -9.098,43.726 -9.098,43.763 -9.036,43.825 -8.863,43.825 -8.801,43.763 -8.801,43.726 -8.57,43.495 R128A.2@-8.55,43.495 -8.53,43.495 -8.298,43.726 -8.298,43.756 -8.214,43.84 -8.02,43.84 -7.951,43.771 -7.951,43.751 -7.72,43.52 R123A.1@-7.7,43.52 -7.68,43.52 -7.448,43.751 -7.448,43.771 -7.379,43.84 -6.61,43.84 -6.223,44.228 -5.46,44.228 -5.333,44.1 JB2A.24@-4.7,44.1
Helper_DCXOB_N: C195B.2 JB2B.22 R122B.1 R127B.2 | length 4.6
  Top Layer w0.118: JB2B.22@13.175,30.1 13.808,30.1 13.935,30.228 14.511,30.228 14.531,30.208 14.779,30.208 14.849,30.139 14.849,30.056 15.08,29.825 R122B.1@15.1,29.825 15.12,29.825 15.351,30.056 15.351,30.139 15.42,30.208 15.604,30.208 15.674,30.139 15.674,30.056 15.905,29.825 R127B.2@15.925,29.825 15.945,29.825 16.176,30.056 16.176,30.171 16.213,30.208 16.392,30.208 16.449,30.151 16.449,30.081 C195B.2@16.7,29.83
Helper_DCXOB_P: C194B.2 JB2B.24 R123B.1 R128B.2 | length 4.6
  Top Layer w0.118: JB2B.24@13.175,30.6 13.808,30.6 13.935,30.472 14.612,30.472 14.632,30.453 14.779,30.453 14.849,30.522 14.849,30.604 15.08,30.835 R123B.1@15.1,30.835 15.12,30.835 15.351,30.604 15.351,30.522 15.42,30.453 15.604,30.453 15.674,30.522 15.674,30.604 15.905,30.835 R128B.2@15.925,30.835 15.945,30.835 16.176,30.604 16.176,30.49 16.213,30.453 16.392,30.453 16.449,30.509 16.449,30.579 C194B.2@16.7,30.83
Imeas_P2V5A: C25A.2 IC7A.8 IC31A.31 R26A.1 | length 20
  Top Layer w0.127: R26A.1@-58.149,55.245 -57.219,55.245 C25A.2@-57.199,55.225 ; IC7A.8@-49.225,35.54 -48.164,35.54 v1(-48.158,35.535) ; v1(-3.48,81.788) -3.473,81.782 -2.457,81.782 IC31A.31@-2.45,81.775
  L4 w0.127: -12.116,71.272 -11.252,72.136 -7.62,72.136 -5.385,74.371 -5.385,81.178 -4.775,81.788 v1(-3.48,81.788)
Imeas_P2V5B: C25B.2 IC7B.8 IC31B.31 R26B.1 | length 2.1
  Top Layer w0.127: v1(-67.412,35.789) -67.401,35.799 IC7B.8@-66.325,35.799
  Bottom Layer w0.127: R26B.1@-60.842,20.67 -59.887,20.67 C25B.2@-59.867,20.69
Imeas_P3V3A: C26A.2 IC7A.10 IC31A.29 R27A.1 | length 18.7
  Top Layer w0.127: IC7A.10@-49.225,38.08 -47.961,38.08 v1(-47.955,38.075) ; R27A.1@-11.475,72.57 -11.455,72.55 C26A.2@-10.55,72.55 -10.517,72.517 v1(-9.931,72.517) ; v1(-3.48,82.779) -3.478,82.777 -2.452,82.777 IC31A.29@-2.45,82.775
  L4 w0.127: v1(-9.931,72.517) -7.976,72.517 -5.715,74.778 -5.715,81.839 -4.775,82.779 v1(-3.48,82.779)
Imeas_P3V3B: C26B.2 IC7B.10 IC31B.29 R27B.1 | length 1.2
  Top Layer w0.127: v1(-67.488,33.274) -67.473,33.259 IC7B.10@-66.325,33.259
Imeas_P3V3MPA: C205A.2 IC31A.63 R97A.1 | length 1.2
  Top Layer w0.127: IC31A.63@10.95,78.275 10.954,78.279 12.112,78.279 v1(12.116,78.283)
Imeas_P3V3MPB: C205B.2 IC31B.63 R97B.1